# Altium PCB mitosis.PcbDoc
Units mm, origin at the board's own origin, x right, y up, seen from the top; angles counter-clockwise.
Board outline 113.72 x 100 mm, 2 copper layers (Top Layer, Bottom Layer), stack 1.671 mm thick; 35 components, 39 nets, 527 pads, 0 vias.
Unrouted connection lines stored in the file: 72.
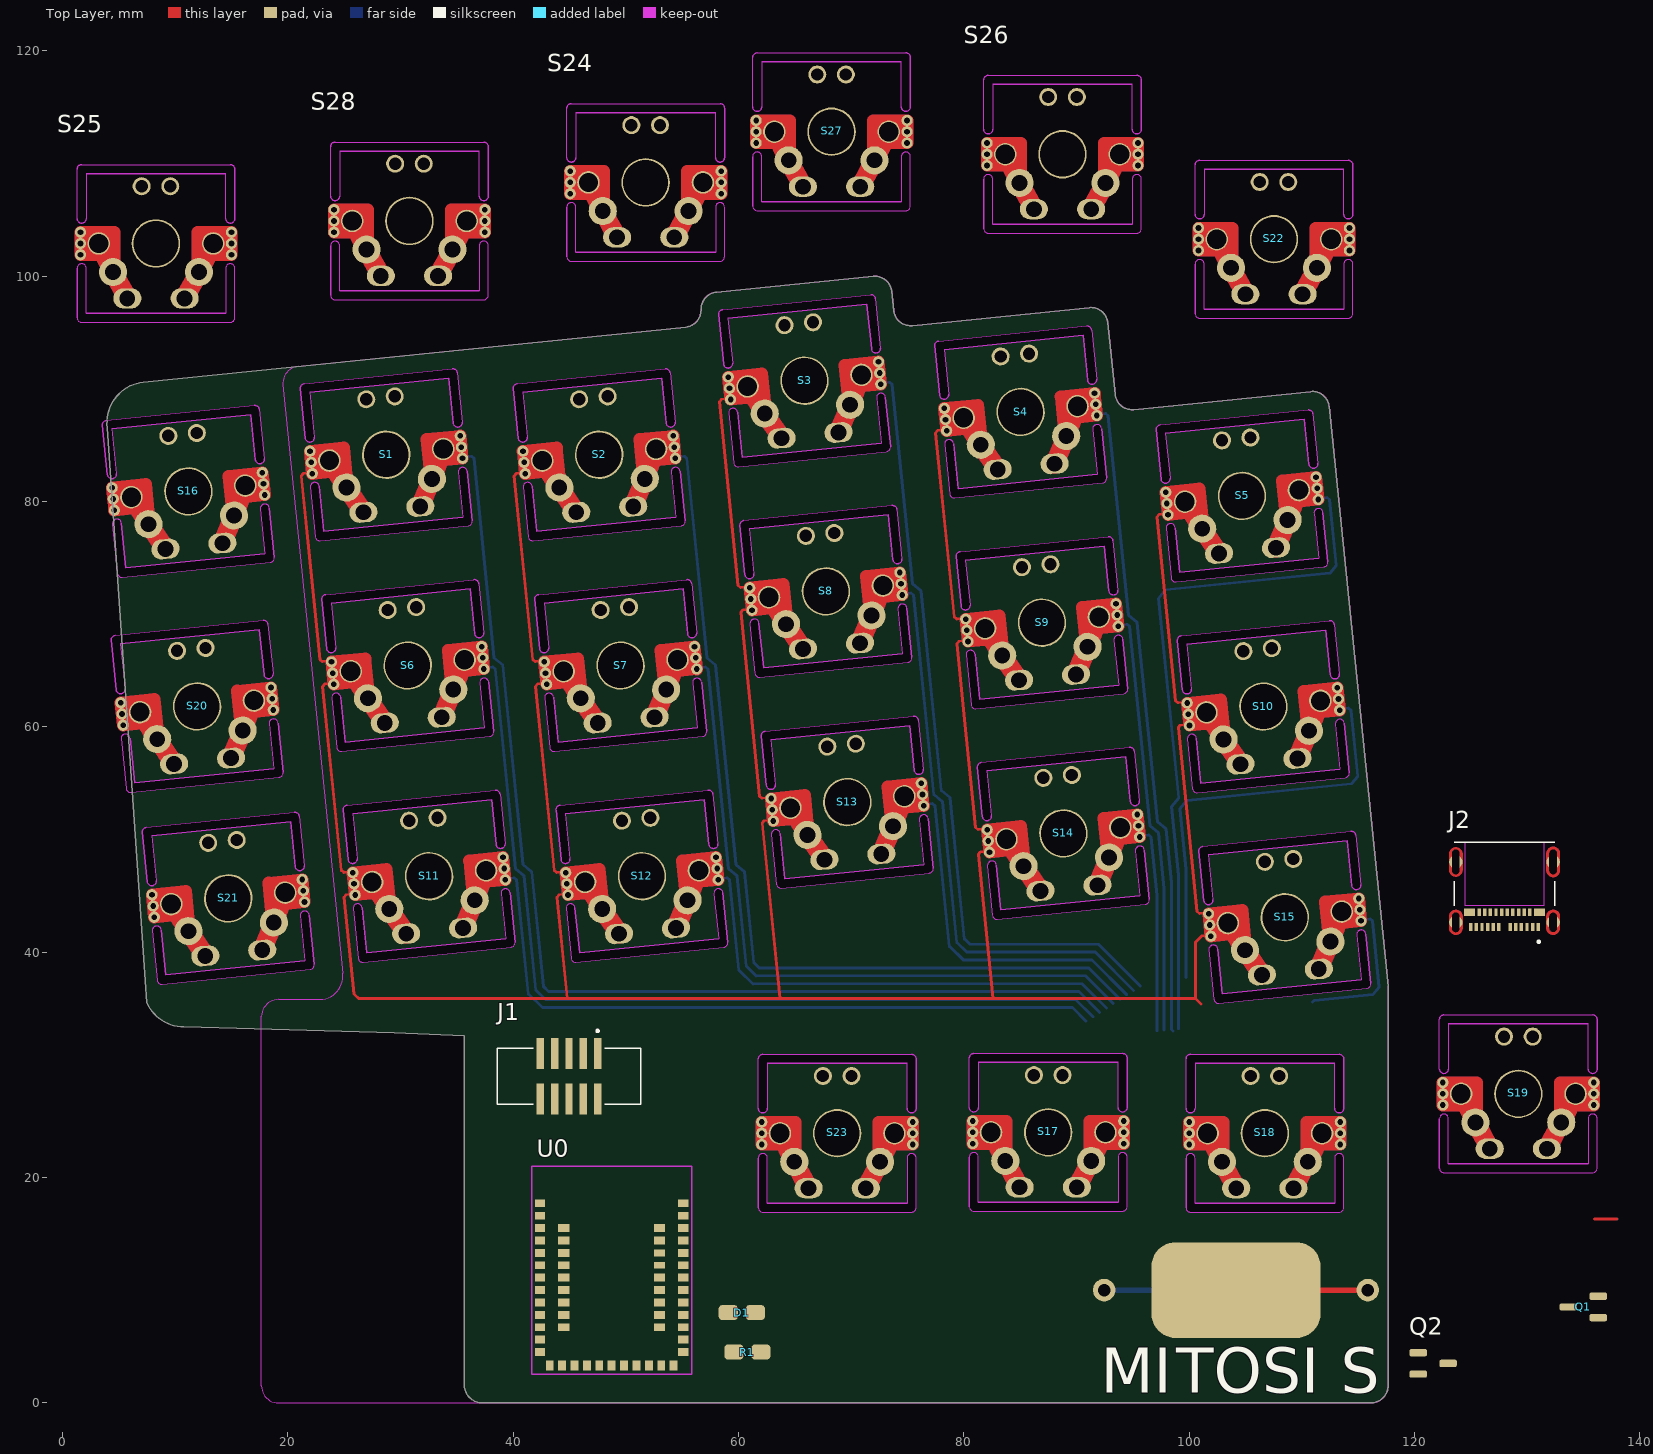
[diagram p0: Top Layer view]
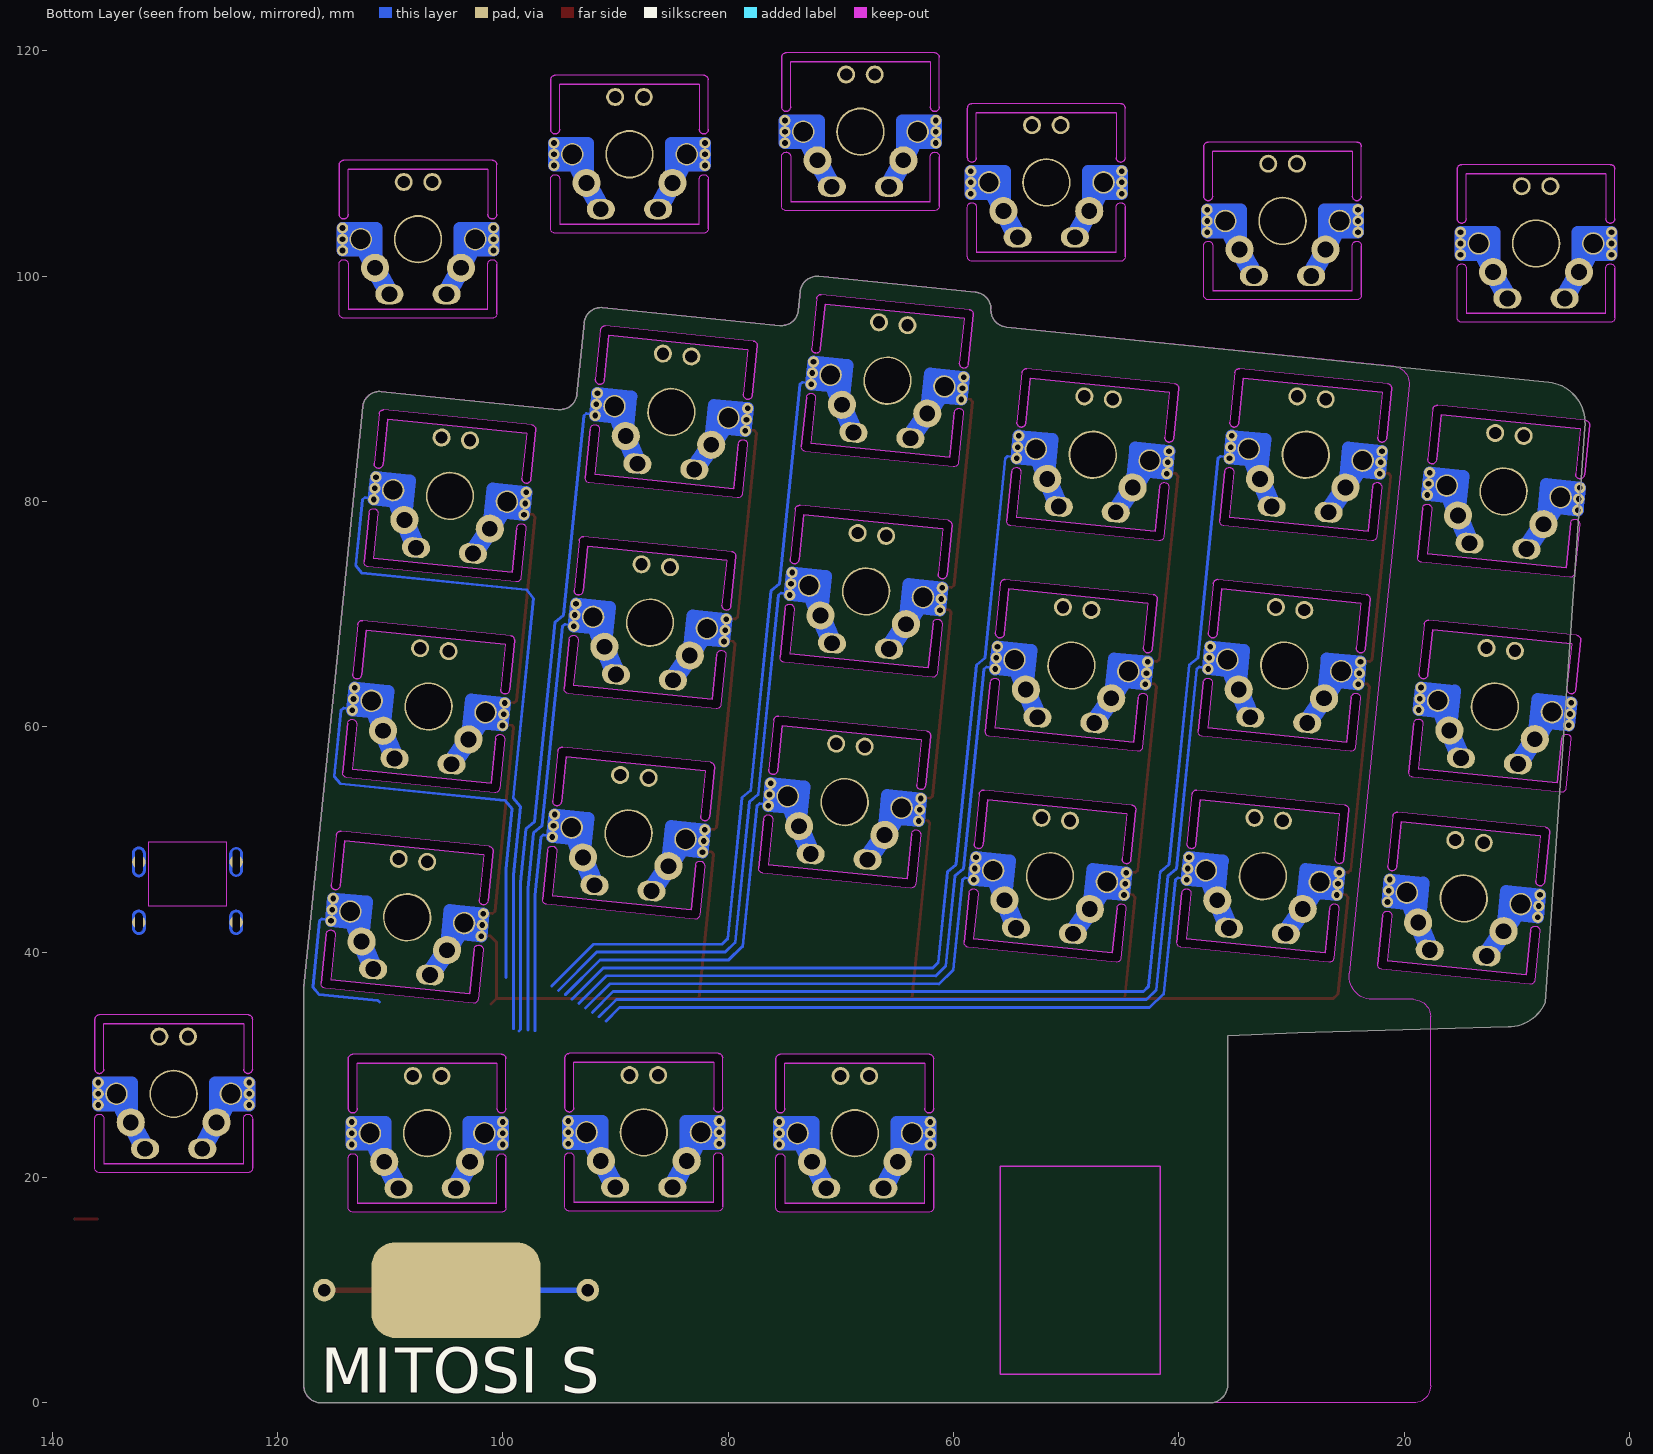
[diagram p1: Bottom Layer view, seen from below]

## Layer stack, top to bottom
Top Solder: solder mask 0.0102, Solder Resist, Dk 3.5
Top Layer: signal copper 0.0356
Dielectric1: core 1.6, FR-4, Dk 4.8
Bottom Layer: signal copper 0.0356
Bottom Solder: solder mask 0.0102, Solder Resist, Dk 3.5

## Board outline
37.366,-0.008 cw(c37.266,1.592) 35.666,1.492 35.666,32.592 ccw(c-17.362,-1277.828) 10.781,33.362 cw(c10.781,36.951) 7.493,35.513 7.225,39.401 3.974,86.545 cw(c7.589,86.973) 7.161,90.587 55.334,95.481 ccw(c55.183,96.973) 56.683,96.968 56.688,97.109 cw(c58.188,97.077) 58.036,98.57 71.964,99.984 cw(c72.116,98.492) 73.608,98.644 73.78,96.952 ccw(c75.272,97.104) 75.424,95.612 91.143,97.208 cw(c91.295,95.716) 92.787,95.867 93.434,89.5 ccw(c94.926,89.652) 95.078,88.16 110.797,89.756 cw(c110.949,88.264) 112.441,88.415 117.666,36.98 117.666,1.492 cw(c116.166,1.492) 116.166,-0.008

## Design rules (kind name [scope] priority, off if disabled: settings)
Clearance [All] p1: gap=0.152 ignorepadtopadclearanceinfootprint=FALSE except(0: Arc-Hole Track-Hole SMDPad-Hole THPad-Hole Via-Hole Fill-Hole Poly-Hole Region-Hole Text-Hole)
ComponentClearance nrf_clearance [(HasFootprint('Core51822 (B)'))] p1: gap=0 collisioncheckmode=3 verticalgap=0 showdistances=FALSE
ComponentClearance ComponentClearance_1 [All] p2: gap=0.254 collisioncheckmode=3 verticalgap=0.254 showdistances=FALSE
HoleSize [All] p1: absolutevalues=TRUE maxlimit=6.3 minlimit=0.3 maxpercent=80.000 minpercent=20.000
HoleToHoleClearance [All] p1: gap=0.29 allowstackedmicrovias=TRUE
MinimumSolderMaskSliver [All] p1: minsoldermaskwidth=0.089
PolygonConnect [All] p1: connectstyle=Relief reliefconductorwidth=0.254 reliefentries=4 polygonreliefangle="90 Angle" airgapwidth=0.254
RoutingVias [All] p1: holewidth=0.3 width=0.6 viastyle="Through Hole" minholewidth=0.3 minwidth=0.6 maxholewidth=6.3 maxwidth=12
SilkToSolderMaskClearance [IsPad] p1: minsilkscreentomaskgap=0.1 clearancetoexposedcopper=TRUE
SolderMaskExpansion [All] p1: expansion=0.102 istentingtop=FALSE
Width [All] p1: maxlimit=10 minlimit=0.152 preferedwidth=0.254
25 further rules are at their usual default settings.

## Components (designator, comment, footprint, x,y, rotation, side; value= is the part's Value field where it differs from the comment)
D1 "0603" RESC2012X06N 60.3,8 r180 top
J1 "3221-10-0300-00" CNC_3221-10-0300-00 44.96,28.98 r180 top
J2 "105450-0101" MOLEX_105450-0101 128,46 r180 top
Q1 "SI2302" SOT-23 135,8.5 r180 top
Q2 "SI2302" SOT-23 121.666,3.492 r0 top
R1 "0603" RESC2012X06N 60.8,4.5 r0 top
S1 "CHERRY MX" CHERRY 28.734,84.245 r5.8 top
S2 "CHERRY MX" CHERRY 47.63,84.245 r5.8 top
S3 "CHERRY MX" CHERRY 65.859,90.82 r5.8 top
S4 "CHERRY MX" CHERRY 85.038,88.044 r5.8 top
S5 "CHERRY MX" CHERRY 104.692,80.592 r5.8 top
S6 "CHERRY MX" CHERRY 30.633,65.541 r5.8 top
S7 "CHERRY MX" CHERRY 49.53,65.541 r5.8 top
S8 "CHERRY MX" CHERRY 67.759,72.117 r5.8 top
S9 "CHERRY MX" CHERRY 86.938,69.341 r5.8 top
S10 "CHERRY MX" CHERRY 106.591,61.889 r5.8 top
S11 "CHERRY MX" CHERRY 32.533,46.837 r5.8 top
S12 "CHERRY MX" CHERRY 51.43,46.837 r5.8 top
S13 "CHERRY MX" CHERRY 69.659,53.413 r5.8 top
S14 "CHERRY MX" CHERRY 88.838,50.637 r5.8 top
S15 "CHERRY MX" CHERRY 108.491,43.185 r5.8 top
S16 "CHERRY MX" CHERRY 11.166,80.992 r5.8 top
S17 "CHERRY MX" CHERRY 87.5,24.102 r0 top
S18 "CHERRY MX" CHERRY 106.73,24.022 r0 top
S19 "CHERRY MX" CHERRY 129.23,27.522 r0 top
S20 "CHERRY MX" CHERRY 11.936,61.912 r5.8 top
S21 "CHERRY MX" CHERRY 14.706,44.869 r5.8 top
S22 "CHERRY MX" CHERRY 107.54,103.377 r0 top
S23 "CHERRY MX" CHERRY 68.77,24.022 r0 top
S24 "CHERRY MX" CHERRY 51.77,108.42 r0 top
S25 "CHERRY MX" CHERRY 8.3,103 r0 top
S26 "CHERRY MX" CHERRY 88.77,110.92 r0 top
S27 "CHERRY MX" CHERRY 68.27,112.92 r0 top
S28 "CHERRY MX" CHERRY 30.8,105 r0 top
U0 "Core52840 (B)" CORE52840 42.063,3.016 r0 top

## Footprints (in the part's own frame and the unit in brackets; to place one, negate y for a bottom-side part, rotate by r counter-clockwise, add the part's x,y. Pads: shape width x height; smd on the part's side, far side on the other; paste and mask are expansions set on the pad)
CHERRY [mm]
  round 1.6 hole 1.1: 0(-1.27,4.978) 0(1.27,4.978)
  round 4.3 hole 3.988: 0(0,-0.102)
  round 2.5 hole 1.4: 1(-3.81,-2.642) 2(3.81,-2.642)
  oval 2.5x1.8 hole 1.4: 3(-2.54,-4.978) 4(2.54,-4.978)
  round 2 hole 1.702: 5(-5.08,-0.102) 6(5.08,-0.102)
  round 1 hole 0.5 mask+0.05: 7(-6.7,0.898) 8(6.7,0.898) 9(-6.7,-0.102) 10(6.7,-0.102) 11(-6.7,-1.102) 12(6.7,-1.102)
  Top Layer lines w1.1: -6.7,-0.102 -5.08,-0.102 ; -4.3,-1.102 -6.7,-1.102 -6.7,0.898 -3.7,0.898 -3.7,-2.002 ; 3.7,-2.002 3.7,0.898 6.7,0.898 6.7,-1.102 4.3,-1.102 ; 5.08,-0.102 6.7,-0.102
  Top Layer lines w1.7: -5.08,-0.102 -3.81,-2.642 -2.54,-4.978 ; 2.54,-4.978 3.81,-2.642 5.08,-0.102
  Bottom Layer lines w1.1: -6.7,-0.102 -5.08,-0.102 ; -4.3,-1.102 -6.7,-1.102 -6.7,0.898 -3.7,0.898 -3.7,-2.002 ; 3.7,-2.002 3.7,0.898 6.7,0.898 6.7,-1.102 4.3,-1.102 ; 5.08,-0.102 6.7,-0.102
  Bottom Layer lines w1.7: -5.08,-0.102 -3.81,-2.642 -2.54,-4.978 ; 2.54,-4.978 3.81,-2.642 5.08,-0.102
  Keep-Out Layer board cut-out: -7,-2.302 -7,-6.702 -6.97,-6.855 -6.883,-6.984 -6.753,-7.071 -6.6,-7.102 -6.6,-7.102 6.6,-7.102 6.753,-7.071 6.883,-6.984 6.97,-6.855 7,-6.702 7,-6.702 7,-2.302 6.96,-2.128 6.849,-1.989 6.689,-1.912 6.511,-1.912 6.351,-1.989 6.24,-2.128 6.2,-2.302 6.2,-2.302 6.2,-6.302 6.2,-6.302 -6.2,-6.302 -6.2,-6.302 -6.2,-2.302 -6.24,-2.128 -6.351,-1.989 -6.511,-1.912 -6.689,-1.912 -6.849,-1.989 -6.96,-2.128 -7,-2.302
  Keep-Out Layer board cut-out: -7,2.098 -7,6.498 -6.97,6.651 -6.883,6.781 -6.753,6.868 -6.6,6.898 -6.6,6.898 6.6,6.898 6.753,6.868 6.883,6.781 6.97,6.651 7,6.498 7,6.498 7,2.098 6.96,1.925 6.849,1.786 6.689,1.708 6.511,1.708 6.351,1.786 6.24,1.925 6.2,2.098 6.2,2.098 6.2,6.098 6.2,6.098 -6.2,6.098 -6.2,6.098 -6.2,2.098 -6.24,1.925 -6.351,1.786 -6.511,1.708 -6.689,1.708 -6.849,1.786 -6.96,1.925 -7,2.098
  Keep-Out Layer lines w0.1: -7,6.498 cw(c-6.6,6.498) -6.6,6.898 6.6,6.898 cw(c6.6,6.498) 7,6.498 7,2.098 cw(c6.6,2.098) 6.2,2.098 6.2,6.098 -6.2,6.098 -6.2,2.098 cw(c-6.6,2.098) -7,2.098 -7,6.498 ; -7,-2.302 cw(c-6.6,-2.302) -6.2,-2.302 -6.2,-6.302 6.2,-6.302 6.2,-2.302 cw(c6.6,-2.302) 7,-2.302 7,-6.702 cw(c6.6,-6.702) 6.6,-7.102 -6.6,-7.102 cw(c-6.6,-6.702) -7,-6.702 -7,-2.302
  body extent -9,-9.1 9,8.9, height 23
CNC_3221-10-0300-00 [mm]
  rect 0.65x2.76 smd: 1(-2.54,-2.02) 2(-2.54,2.02) 3(-1.27,-2.02) 4(-1.27,2.02) 5(0,-2.02) 6(0,2.02) 7(1.27,-2.02) 8(1.27,2.02) 9(2.54,-2.02) 10(2.54,2.02)
  silkscreen extent -6.35,-4.12 6.35,2.5
CORE52840 [mm]
  rect 0.9x0.7 smd: 1(0.337,14.684) 2(0.337,13.584) 3(0.337,12.484) 4(0.337,11.384) 5(0.337,10.284) 6(0.337,9.184) 7(0.337,8.084) 8(0.337,6.984) 9(0.337,5.884) 10(0.337,4.784) 11(0.337,3.684) 12(0.337,2.584) 13(0.337,1.484) 32(13.037,14.684) 33(13.037,13.584) 34(13.037,12.484) 35(13.037,11.384) 36(13.037,10.284) 37(13.037,9.184) 38(13.037,8.084) 39(13.037,6.984) 40(13.037,5.884) 41(13.037,4.784) 42(13.037,3.684) 43(13.037,2.584) 44(13.037,1.484)
  rect 1x0.7 smd: 14(2.437,12.484) 15(2.437,11.384) 16(2.437,10.284) 17(2.437,9.184) 18(2.437,8.084) 19(2.437,6.984) 20(2.437,5.884) 21(2.437,4.784) 22(2.437,3.684) 23(10.937,12.484) 24(10.937,11.384) 27(10.937,8.084) 28(10.937,6.984) 29(10.937,5.884) 30(10.937,4.784) 31(10.937,3.684)
  rect 1x0.6 smd: 25(10.937,10.284) 26(10.937,9.184)
  rect 0.7x0.9 smd: 45(12.187,0.284) 46(11.087,0.284) 47(9.987,0.284) 48(8.887,0.284) 49(7.787,0.284) 50(6.687,0.284) 51(5.587,0.284) 52(4.487,0.284) 53(3.387,0.284) 54(2.287,0.284) 55(1.187,0.284)
  Keep-Out Layer lines w0.127: -0.4,-0.5 -0.4,17.984 13.8,17.984 13.8,-0.5 -0.4,-0.5
MOLEX_105450-0101 [mm]
  rect 0.3x0.7 smd: A1(-3,3.77) A2(-2.5,3.77) A3(-2,3.77) A4(-1.5,3.77) A5(-1,3.77) A6(-0.5,3.77) A7(0.5,3.77) A8(1,3.77) A9(1.5,3.77) A10(2,3.77) A11(2.5,3.77) A12(3,3.77) B2(2.25,2.47) B3(1.75,2.47) B4(1.25,2.47) B5(0.75,2.47) B6(0.25,2.47) B7(-0.25,2.47) B8(-0.75,2.47) B9(-1.25,2.47) B10(-1.75,2.47) B11(-2.25,2.47)
  rect 1x0.7 smd: B1(3.1,2.47) B12(-3.1,2.47)
  round 1.2 hole 0.65 slot 1.7 at 90 deg mask+0: S1(-4.32,3.36)
  round 1.2 hole 0.65 slot 1.725 at 90 deg mask+0: S2(4.32,3.36)
  round 1.2 hole 0.65 slot 2.175 at 90 deg mask+0: S3(-4.32,-2) S4(4.32,-2)
  Top Layer region: -4.289,4.459 -4.257,4.457 -4.226,4.453 -4.195,4.447 -4.165,4.44 -4.135,4.431 -4.105,4.42 -4.076,4.408 -4.048,4.395 -4.02,4.38 -3.993,4.363 -3.967,4.345 -3.942,4.326 -3.919,4.306 -3.896,4.284 -3.874,4.261 -3.854,4.238 -3.835,4.213 -3.817,4.187 -3.8,4.16 -3.785,4.132 -3.772,4.104 -3.76,4.075 -3.749,4.045 -3.74,4.015 -3.733,3.985 -3.727,3.954 -3.723,3.923 -3.721,3.891 -3.72,3.86 -3.72,2.86 -3.721,2.829 -3.723,2.797 -3.727,2.766 -3.733,2.735 -3.74,2.705 -3.749,2.675 -3.76,2.645 -3.772,2.616 -3.785,2.588 -3.8,2.56 -3.817,2.533 -3.835,2.507 -3.854,2.482 -3.874,2.459 -3.896,2.436 -3.919,2.414 -3.942,2.394 -3.967,2.375 -3.993,2.357 -4.02,2.34 -4.048,2.325 -4.076,2.312 -4.105,2.3 -4.135,2.289 -4.165,2.28 -4.195,2.273 -4.226,2.267 -4.257,2.263 -4.289,2.261 -4.32,2.26 -4.355,2.26 -4.385,2.261 -4.415,2.264 -4.445,2.268 -4.474,2.274 -4.504,2.282 -4.532,2.291 -4.561,2.301 -4.588,2.313 -4.615,2.327 -4.641,2.342 -4.667,2.358 -4.691,2.375 -4.715,2.394 -4.738,2.414 -4.759,2.435 -4.779,2.457 -4.799,2.481 -4.816,2.505 -4.833,2.53 -4.848,2.556 -4.862,2.583 -4.875,2.61 -4.886,2.638 -4.895,2.667 -4.903,2.696 -4.91,2.725 -4.915,2.755 -4.918,2.785 -4.92,2.81 -4.92,3.81 -4.92,3.846 -4.919,3.879 -4.916,3.911 -4.911,3.944 -4.904,3.976 -4.896,4.007 -4.886,4.039 -4.875,4.069 -4.862,4.099 -4.847,4.129 -4.831,4.157 -4.814,4.185 -4.795,4.211 -4.774,4.237 -4.752,4.262 -4.73,4.285 -4.705,4.307 -4.68,4.328 -4.654,4.347 -4.626,4.365 -4.598,4.382 -4.569,4.397 -4.539,4.411 -4.509,4.423 -4.478,4.433 -4.446,4.442 -4.414,4.449 -4.382,4.454 -4.35,4.458 -4.32,4.46
  Top Layer region: 4.351,4.459 4.383,4.457 4.414,4.453 4.445,4.447 4.475,4.44 4.505,4.431 4.535,4.42 4.564,4.408 4.592,4.395 4.62,4.38 4.647,4.363 4.673,4.345 4.698,4.326 4.721,4.306 4.744,4.284 4.766,4.261 4.786,4.238 4.805,4.213 4.823,4.187 4.84,4.16 4.855,4.132 4.868,4.104 4.88,4.075 4.891,4.045 4.9,4.015 4.907,3.985 4.913,3.954 4.917,3.923 4.919,3.891 4.92,3.86 4.92,2.86 4.919,2.829 4.917,2.797 4.913,2.766 4.907,2.735 4.9,2.705 4.891,2.675 4.88,2.645 4.868,2.616 4.855,2.588 4.84,2.56 4.823,2.533 4.805,2.507 4.786,2.482 4.766,2.459 4.744,2.436 4.721,2.414 4.698,2.394 4.673,2.375 4.647,2.357 4.62,2.34 4.592,2.325 4.564,2.312 4.535,2.3 4.505,2.289 4.475,2.28 4.445,2.273 4.414,2.267 4.383,2.263 4.351,2.261 4.32,2.26 4.289,2.261 4.257,2.263 4.226,2.267 4.195,2.273 4.165,2.28 4.135,2.289 4.105,2.3 4.076,2.312 4.048,2.325 4.02,2.34 3.993,2.357 3.967,2.375 3.942,2.394 3.919,2.414 3.896,2.436 3.874,2.459 3.854,2.482 3.835,2.507 3.817,2.533 3.8,2.56 3.785,2.588 3.772,2.616 3.76,2.645 3.749,2.675 3.74,2.705 3.733,2.735 3.727,2.766 3.723,2.797 3.721,2.829 3.72,2.86 3.72,3.86 3.721,3.891 3.723,3.923 3.727,3.954 3.733,3.985 3.74,4.015 3.749,4.045 3.76,4.075 3.772,4.104 3.785,4.132 3.8,4.16 3.817,4.187 3.835,4.213 3.854,4.238 3.874,4.261 3.896,4.284 3.919,4.306 3.942,4.326 3.967,4.345 3.993,4.363 4.02,4.38 4.048,4.395 4.076,4.408 4.105,4.42 4.135,4.431 4.165,4.44 4.195,4.447 4.226,4.453 4.257,4.457 4.289,4.459 4.32,4.46
  Top Layer region: -4.29,-0.652 -4.258,-0.656 -4.226,-0.661 -4.194,-0.668 -4.162,-0.677 -4.131,-0.687 -4.101,-0.699 -4.071,-0.713 -4.042,-0.728 -4.014,-0.745 -3.986,-0.763 -3.96,-0.782 -3.935,-0.803 -3.91,-0.825 -3.888,-0.848 -3.866,-0.873 -3.845,-0.899 -3.826,-0.925 -3.809,-0.953 -3.793,-0.981 -3.778,-1.011 -3.765,-1.041 -3.754,-1.071 -3.744,-1.103 -3.736,-1.134 -3.729,-1.166 -3.724,-1.199 -3.721,-1.231 -3.72,-1.264 -3.72,-1.3 -3.72,-2.7 -3.72,-2.736 -3.721,-2.769 -3.724,-2.801 -3.729,-2.834 -3.736,-2.866 -3.744,-2.897 -3.754,-2.929 -3.765,-2.959 -3.778,-2.989 -3.793,-3.019 -3.809,-3.047 -3.826,-3.075 -3.845,-3.101 -3.866,-3.127 -3.888,-3.152 -3.91,-3.175 -3.935,-3.197 -3.96,-3.218 -3.986,-3.237 -4.014,-3.255 -4.042,-3.272 -4.071,-3.287 -4.101,-3.301 -4.131,-3.313 -4.162,-3.323 -4.194,-3.332 -4.226,-3.339 -4.258,-3.344 -4.29,-3.348 -4.32,-3.35 -4.35,-3.348 -4.382,-3.344 -4.414,-3.339 -4.446,-3.332 -4.478,-3.323 -4.509,-3.313 -4.539,-3.301 -4.569,-3.287 -4.598,-3.272 -4.626,-3.255 -4.654,-3.237 -4.68,-3.218 -4.705,-3.197 -4.73,-3.175 -4.752,-3.152 -4.774,-3.127 -4.795,-3.101 -4.814,-3.075 -4.831,-3.047 -4.847,-3.019 -4.862,-2.989 -4.875,-2.959 -4.886,-2.929 -4.896,-2.897 -4.904,-2.866 -4.911,-2.834 -4.916,-2.801 -4.919,-2.769 -4.92,-2.736 -4.92,-2.7 -4.92,-1.3 -4.92,-1.264 -4.919,-1.231 -4.916,-1.199 -4.911,-1.166 -4.904,-1.134 -4.896,-1.103 -4.886,-1.071 -4.875,-1.041 -4.862,-1.011 -4.847,-0.981 -4.831,-0.953 -4.814,-0.925 -4.795,-0.899 -4.774,-0.873 -4.752,-0.848 -4.73,-0.825 -4.705,-0.803 -4.68,-0.782 -4.654,-0.763 -4.626,-0.745 -4.598,-0.728 -4.569,-0.713 -4.539,-0.699 -4.509,-0.687 -4.478,-0.677 -4.446,-0.668 -4.414,-0.661 -4.382,-0.656 -4.35,-0.652 -4.32,-0.65
  Top Layer region: 4.35,-0.702 4.382,-0.706 4.414,-0.711 4.446,-0.718 4.478,-0.727 4.509,-0.737 4.539,-0.749 4.569,-0.763 4.598,-0.778 4.626,-0.795 4.654,-0.813 4.68,-0.832 4.705,-0.853 4.73,-0.875 4.752,-0.898 4.774,-0.923 4.795,-0.949 4.814,-0.975 4.831,-1.003 4.847,-1.031 4.862,-1.061 4.875,-1.091 4.886,-1.121 4.896,-1.153 4.904,-1.184 4.911,-1.216 4.916,-1.249 4.919,-1.281 4.92,-1.314 4.92,-1.35 4.92,-2.65 4.92,-2.686 4.919,-2.719 4.916,-2.751 4.911,-2.784 4.904,-2.816 4.896,-2.847 4.886,-2.879 4.875,-2.909 4.862,-2.939 4.847,-2.969 4.831,-2.997 4.814,-3.025 4.795,-3.051 4.774,-3.077 4.752,-3.102 4.73,-3.125 4.705,-3.147 4.68,-3.168 4.654,-3.187 4.626,-3.205 4.598,-3.222 4.569,-3.237 4.539,-3.251 4.509,-3.263 4.478,-3.273 4.446,-3.282 4.414,-3.289 4.382,-3.294 4.35,-3.298 4.32,-3.3 4.29,-3.298 4.258,-3.294 4.226,-3.289 4.194,-3.282 4.162,-3.273 4.131,-3.263 4.101,-3.251 4.071,-3.237 4.042,-3.222 4.014,-3.205 3.986,-3.187 3.96,-3.168 3.935,-3.147 3.91,-3.125 3.888,-3.102 3.866,-3.077 3.845,-3.051 3.826,-3.025 3.809,-2.997 3.793,-2.969 3.778,-2.939 3.765,-2.909 3.754,-2.879 3.744,-2.847 3.736,-2.816 3.729,-2.784 3.724,-2.751 3.721,-2.719 3.72,-2.686 3.72,-2.65 3.72,-1.35 3.72,-1.314 3.721,-1.281 3.724,-1.249 3.729,-1.216 3.736,-1.184 3.744,-1.153 3.754,-1.121 3.765,-1.091 3.778,-1.061 3.793,-1.031 3.809,-1.003 3.826,-0.975 3.845,-0.949 3.866,-0.923 3.888,-0.898 3.91,-0.875 3.935,-0.853 3.96,-0.832 3.986,-0.813 4.014,-0.795 4.042,-0.778 4.071,-0.763 4.101,-0.749 4.131,-0.737 4.162,-0.727 4.194,-0.718 4.226,-0.711 4.258,-0.706 4.29,-0.702 4.32,-0.7
  Bottom Layer region: -4.289,4.459 -4.257,4.457 -4.226,4.453 -4.195,4.447 -4.165,4.44 -4.135,4.431 -4.105,4.42 -4.076,4.408 -4.048,4.395 -4.02,4.38 -3.993,4.363 -3.967,4.345 -3.942,4.326 -3.919,4.306 -3.896,4.284 -3.874,4.261 -3.854,4.238 -3.835,4.213 -3.817,4.187 -3.8,4.16 -3.785,4.132 -3.772,4.104 -3.76,4.075 -3.749,4.045 -3.74,4.015 -3.733,3.985 -3.727,3.954 -3.723,3.923 -3.721,3.891 -3.72,3.86 -3.72,2.86 -3.721,2.829 -3.723,2.797 -3.727,2.766 -3.733,2.735 -3.74,2.705 -3.749,2.675 -3.76,2.645 -3.772,2.616 -3.785,2.588 -3.8,2.56 -3.817,2.533 -3.835,2.507 -3.854,2.482 -3.874,2.459 -3.896,2.436 -3.919,2.414 -3.942,2.394 -3.967,2.375 -3.993,2.357 -4.02,2.34 -4.048,2.325 -4.076,2.312 -4.105,2.3 -4.135,2.289 -4.165,2.28 -4.195,2.273 -4.226,2.267 -4.257,2.263 -4.289,2.261 -4.32,2.26 -4.355,2.26 -4.385,2.261 -4.415,2.264 -4.445,2.268 -4.474,2.274 -4.504,2.282 -4.532,2.291 -4.561,2.301 -4.588,2.313 -4.615,2.327 -4.641,2.342 -4.667,2.358 -4.691,2.375 -4.715,2.394 -4.738,2.414 -4.759,2.435 -4.779,2.457 -4.799,2.481 -4.816,2.505 -4.833,2.53 -4.848,2.556 -4.862,2.583 -4.875,2.61 -4.886,2.638 -4.895,2.667 -4.903,2.696 -4.91,2.725 -4.915,2.755 -4.918,2.785 -4.92,2.81 -4.92,3.81 -4.92,3.846 -4.919,3.879 -4.916,3.911 -4.911,3.944 -4.904,3.976 -4.896,4.007 -4.886,4.039 -4.875,4.069 -4.862,4.099 -4.847,4.129 -4.831,4.157 -4.814,4.185 -4.795,4.211 -4.774,4.237 -4.752,4.262 -4.73,4.285 -4.705,4.307 -4.68,4.328 -4.654,4.347 -4.626,4.365 -4.598,4.382 -4.569,4.397 -4.539,4.411 -4.509,4.423 -4.478,4.433 -4.446,4.442 -4.414,4.449 -4.382,4.454 -4.35,4.458 -4.32,4.46
  Bottom Layer region: 4.351,4.459 4.383,4.457 4.414,4.453 4.445,4.447 4.475,4.44 4.505,4.431 4.535,4.42 4.564,4.408 4.592,4.395 4.62,4.38 4.647,4.363 4.673,4.345 4.698,4.326 4.721,4.306 4.744,4.284 4.766,4.261 4.786,4.238 4.805,4.213 4.823,4.187 4.84,4.16 4.855,4.132 4.868,4.104 4.88,4.075 4.891,4.045 4.9,4.015 4.907,3.985 4.913,3.954 4.917,3.923 4.919,3.891 4.92,3.86 4.92,2.86 4.919,2.829 4.917,2.797 4.913,2.766 4.907,2.735 4.9,2.705 4.891,2.675 4.88,2.645 4.868,2.616 4.855,2.588 4.84,2.56 4.823,2.533 4.805,2.507 4.786,2.482 4.766,2.459 4.744,2.436 4.721,2.414 4.698,2.394 4.673,2.375 4.647,2.357 4.62,2.34 4.592,2.325 4.564,2.312 4.535,2.3 4.505,2.289 4.475,2.28 4.445,2.273 4.414,2.267 4.383,2.263 4.351,2.261 4.32,2.26 4.289,2.261 4.257,2.263 4.226,2.267 4.195,2.273 4.165,2.28 4.135,2.289 4.105,2.3 4.076,2.312 4.048,2.325 4.02,2.34 3.993,2.357 3.967,2.375 3.942,2.394 3.919,2.414 3.896,2.436 3.874,2.459 3.854,2.482 3.835,2.507 3.817,2.533 3.8,2.56 3.785,2.588 3.772,2.616 3.76,2.645 3.749,2.675 3.74,2.705 3.733,2.735 3.727,2.766 3.723,2.797 3.721,2.829 3.72,2.86 3.72,3.86 3.721,3.891 3.723,3.923 3.727,3.954 3.733,3.985 3.74,4.015 3.749,4.045 3.76,4.075 3.772,4.104 3.785,4.132 3.8,4.16 3.817,4.187 3.835,4.213 3.854,4.238 3.874,4.261 3.896,4.284 3.919,4.306 3.942,4.326 3.967,4.345 3.993,4.363 4.02,4.38 4.048,4.395 4.076,4.408 4.105,4.42 4.135,4.431 4.165,4.44 4.195,4.447 4.226,4.453 4.257,4.457 4.289,4.459 4.32,4.46
  Bottom Layer region: -4.29,-0.652 -4.258,-0.656 -4.226,-0.661 -4.194,-0.668 -4.162,-0.677 -4.131,-0.687 -4.101,-0.699 -4.071,-0.713 -4.042,-0.728 -4.014,-0.745 -3.986,-0.763 -3.96,-0.782 -3.935,-0.803 -3.91,-0.825 -3.888,-0.848 -3.866,-0.873 -3.845,-0.899 -3.826,-0.925 -3.809,-0.953 -3.793,-0.981 -3.778,-1.011 -3.765,-1.041 -3.754,-1.071 -3.744,-1.103 -3.736,-1.134 -3.729,-1.166 -3.724,-1.199 -3.721,-1.231 -3.72,-1.264 -3.72,-1.3 -3.72,-2.7 -3.72,-2.736 -3.721,-2.769 -3.724,-2.801 -3.729,-2.834 -3.736,-2.866 -3.744,-2.897 -3.754,-2.929 -3.765,-2.959 -3.778,-2.989 -3.793,-3.019 -3.809,-3.047 -3.826,-3.075 -3.845,-3.101 -3.866,-3.127 -3.888,-3.152 -3.91,-3.175 -3.935,-3.197 -3.96,-3.218 -3.986,-3.237 -4.014,-3.255 -4.042,-3.272 -4.071,-3.287 -4.101,-3.301 -4.131,-3.313 -4.162,-3.323 -4.194,-3.332 -4.226,-3.339 -4.258,-3.344 -4.29,-3.348 -4.32,-3.35 -4.35,-3.348 -4.382,-3.344 -4.414,-3.339 -4.446,-3.332 -4.478,-3.323 -4.509,-3.313 -4.539,-3.301 -4.569,-3.287 -4.598,-3.272 -4.626,-3.255 -4.654,-3.237 -4.68,-3.218 -4.705,-3.197 -4.73,-3.175 -4.752,-3.152 -4.774,-3.127 -4.795,-3.101 -4.814,-3.075 -4.831,-3.047 -4.847,-3.019 -4.862,-2.989 -4.875,-2.959 -4.886,-2.929 -4.896,-2.897 -4.904,-2.866 -4.911,-2.834 -4.916,-2.801 -4.919,-2.769 -4.92,-2.736 -4.92,-2.7 -4.92,-1.3 -4.92,-1.264 -4.919,-1.231 -4.916,-1.199 -4.911,-1.166 -4.904,-1.134 -4.896,-1.103 -4.886,-1.071 -4.875,-1.041 -4.862,-1.011 -4.847,-0.981 -4.831,-0.953 -4.814,-0.925 -4.795,-0.899 -4.774,-0.873 -4.752,-0.848 -4.73,-0.825 -4.705,-0.803 -4.68,-0.782 -4.654,-0.763 -4.626,-0.745 -4.598,-0.728 -4.569,-0.713 -4.539,-0.699 -4.509,-0.687 -4.478,-0.677 -4.446,-0.668 -4.414,-0.661 -4.382,-0.656 -4.35,-0.652 -4.32,-0.65
  Bottom Layer region: 4.35,-0.702 4.382,-0.706 4.414,-0.711 4.446,-0.718 4.478,-0.727 4.509,-0.737 4.539,-0.749 4.569,-0.763 4.598,-0.778 4.626,-0.795 4.654,-0.813 4.68,-0.832 4.705,-0.853 4.73,-0.875 4.752,-0.898 4.774,-0.923 4.795,-0.949 4.814,-0.975 4.831,-1.003 4.847,-1.031 4.862,-1.061 4.875,-1.091 4.886,-1.121 4.896,-1.153 4.904,-1.184 4.911,-1.216 4.916,-1.249 4.919,-1.281 4.92,-1.314 4.92,-1.35 4.92,-2.65 4.92,-2.686 4.919,-2.719 4.916,-2.751 4.911,-2.784 4.904,-2.816 4.896,-2.847 4.886,-2.879 4.875,-2.909 4.862,-2.939 4.847,-2.969 4.831,-2.997 4.814,-3.025 4.795,-3.051 4.774,-3.077 4.752,-3.102 4.73,-3.125 4.705,-3.147 4.68,-3.168 4.654,-3.187 4.626,-3.205 4.598,-3.222 4.569,-3.237 4.539,-3.251 4.509,-3.263 4.478,-3.273 4.446,-3.282 4.414,-3.289 4.382,-3.294 4.35,-3.298 4.32,-3.3 4.29,-3.298 4.258,-3.294 4.226,-3.289 4.194,-3.282 4.162,-3.273 4.131,-3.263 4.101,-3.251 4.071,-3.237 4.042,-3.222 4.014,-3.205 3.986,-3.187 3.96,-3.168 3.935,-3.147 3.91,-3.125 3.888,-3.102 3.866,-3.077 3.845,-3.051 3.826,-3.025 3.809,-2.997 3.793,-2.969 3.778,-2.939 3.765,-2.909 3.754,-2.879 3.744,-2.847 3.736,-2.816 3.729,-2.784 3.724,-2.751 3.721,-2.719 3.72,-2.686 3.72,-2.65 3.72,-1.35 3.72,-1.314 3.721,-1.281 3.724,-1.249 3.729,-1.216 3.736,-1.184 3.744,-1.153 3.754,-1.121 3.765,-1.091 3.778,-1.061 3.793,-1.031 3.809,-1.003 3.826,-0.975 3.845,-0.949 3.866,-0.923 3.888,-0.898 3.91,-0.875 3.935,-0.853 3.96,-0.832 3.986,-0.813 4.014,-0.795 4.042,-0.778 4.071,-0.763 4.101,-0.749 4.131,-0.737 4.162,-0.727 4.194,-0.718 4.226,-0.711 4.258,-0.706 4.29,-0.702 4.32,-0.7
  Keep-Out Layer region: 3.5,-3.77 -3.5,-3.77 -3.5,1.88 3.5,1.88
  silkscreen extent -4.47,-3.77 4.47,5.18, body extent -4.47,-3.91 4.47,4, height 3.2
RESC2012X06N [mm] "Chip Resistor, 2-Leads, Body 2.00x1.25mm, IPC Medium Density"
  rrect50% 1.7x1.35 smd: 1(-1.2,0) 2(1.2,0)
  body extent -1.05,-0.7 1.05,0.7, height 0.55
SOT-23 [mm] "SOT23, 3-Leads, Body 2.92x3.10mm, Pitch 0.95mm, IPC Medium Density"
  rrect50% 1.55x0.65 smd: 1(-1.325,0.95) 2(-1.325,-0.95) 3(1.325,0)
  body extent -0.7,-1.52 0.7,1.52, height 1.12

## Part data
J1: "Conn Shrouded Header HDR 10 POS 1.27mm Solder ST SMD T/R", Manufacturer="CNC Tech", Manufacturer Part Number=3221-10-0300-00-TR, Package=None, Supplier Part Number=1175-2649-6-ND, Availability="In Stock", Category=Connectors, Check_prices=https://www.snapeda.com/parts/3221-10-0300-00/CNC+Tech/view-part/?ref=eda, MF="CNC Tech", MP=3221-10-0300-00, Price=None, Pricing="1=0.94000, 10=0.79200, 100=0.71100 (USD)", Purchase-URL=https://pricing.snapeda.com/search/part/3221-10-0300-00/?ref=eda, RoHS=No, SnapEDA_Link=https://www.snapeda.com/parts/3221-10-0300-00/CNC+Tech/view-part/?ref=snap, Stock=84321, Supplier=Digi-Key
J2: "Conn USB 3.1 Type C F 24 POS Solder RA SMD 24 Terminal 1 Port USB 3.1 T/R", Case/Package=0101, Current Rating=5A, Flammability Rating="UL94 V-0", Insulation Color=Black, Manufacturer=Molex, Max Operating Temperature=85°C, Min Operating Temperature=-30°C, Package=None, Supplier Part Number=33AC7773, Availability=Unavailable, Category="USB Connectors", ComponentLink1Description=http://www.farnell.com/datasheets/2801634.pdf?src-supplier=Farnell, ComponentLink1URL=http://www.farnell.com/datasheets/2801634.pdf?src-supplier=Farnell, ComponentLink2Description=http://www.literature.molex.com/SQLImages/kelmscott/Molex/PDF_Images/987651-4081.PDF?src-supplier=Avnet, ComponentLink2URL=http://www.literature.molex.com/SQLImages/kelmscott/Molex/PDF_Images/987651-4081.PDF?src-supplier=Avnet, ComponentLink3Description=http://www.farnell.com/datasheets/2672741.pdf?src-supplier=Newark, ComponentLink3URL=http://www.farnell.com/datasheets/2672741.pdf?src-supplier=Newark, ComponentLink4Description=http://www.farnell.com/datasheets/2801634.pdf?src-supplier=Newark, ComponentLink4URL=http://www.farnell.com/datasheets/2801634.pdf?src-supplier=Newark, ComponentLink5Description=https://www.molex.com/pdm_docs/ps/PS-105448-001.pdf?src-supplier=Digi-Key, ComponentLink5URL=https://www.molex.com/pdm_docs/ps/PS-105448-001.pdf?src-supplier=Digi-Key, ComponentLink6Description=https://www.molex.com/pdm_docs/sd/1054500101_sd.pdf?src-supplier=Digi-Key, ComponentLink6URL=https://www.molex.com/pdm_docs/sd/1054500101_sd.pdf?src-supplier=Digi-Key, ComponentLink7Description=http://www.farnell.com/datasheets/2801634.pdf?src-supplier=Element14, ComponentLink7URL=http://www.farnell.com/datasheets/2801634.pdf?src-supplier=Element14, ComponentLink8Description=http://www.farnell.com/datasheets/2015275.pdf?src-supplier=Element14, ComponentLink8URL=http://www.farnell.com/datasheets/2015275.pdf?src-supplier=Element14, Connector Type=USB, Contact Material="Copper Alloy", Contact Plating=Gold, Features=Shielded, Gender=Receptacle, Housing Material=Thermoplastic, Length=8.94mm, Manufacturer Part Number=105450-0101, Mating Cycles=10000, Mounting Technology="Surface Mount,Horizontal,Through Hole", MP=105450-0101, Number of Contacts=24, Number of Ports=1, Number of Terminals/Pins=24, Orientation="Right Angle", Packaging="Tape and Reel", Pins=24, Pitch=0.5mm, Price=None, Pricing="1=1.67000, 1300=1.65000, 2600=1.61000 (USD)", RoHS=Yes, RoHS Compliant=Yes, Series=-, Shielding=Shielded, Stock=13000, Supplier=Newark, Termination=Solder, USB Standard="USB 3.1"
Q1 Q2: "N-Channel Logic MOSFET", ComponentLink1Description="Manufacturer Link", ComponentLink1URL=http://www.irf.com/, DatasheetVersion=PD-9.814, LatestRevisionDate=17-Jul-2002, LatestRevisionNote="Re-released for DXP Platform.", Note="Pin 2 is electrically connected to pin 4.", PackageDescription="TO, Thru-Hole, Vertical, Heatsink Mounted; 3 In-Line Leads; Pitch 2.54 mm", PackageReference=TO-220AB, PackageVersion=Feb-1997, Published=8-Jun-2000, Publisher="Altium Limited"
S1 S2 S3 S4 S5 S6 S7 S8 S9 S10 S11 S12 S13 S14 S15 S16 S17 S18 S19 S20 S21 S22 S23 S24 S25 S26 S27 S28: "Switch", LatestRevisionDate=17-Jul-2002, LatestRevisionNote="Re-released for DXP Platform.", PackageDescription="Switch; 2 Leads", PackageReference=SPST-2, Published=24-Mar-1999, Publisher="Altium Limited"
U0: "NRF52840 (B)"

## Free pads (board coordinates)
  round 2 hole 1.1: 0(115.866,9.992) 1(92.466,9.992)
  rrect50% 15x8.5 smd: 2(104.166,9.992)
  rrect50% 15x8.5 smd far side: 2(104.166,9.992)

## Nets (pads, with @x,y where several pads share a name; then routed paths per layer and width w, separated by ;. In a path a pad name is that pad's centre, name@x,y a point inside that pad or via, vN(x,y) a via of type N, cw(c..) or ccw(c..) an arc to the next point about the centre after c; other vN are vias at no path point)
D+: J2.A6 J2.B6 U0.45
D-: J2.A7 J2.B7 U0.46
GND: J1.3 J1.5 J1.9 J2.A1 J2.A12 J2.B1 J2.B12 Q1.2 Q2.2 R1.1 S1.1 S1.3 S1.5 S1.7 S1.9 S1.11 S2.1 S2.3 S2.5 S2.7 S2.9 S2.11 S3.1 S3.3 S3.5 S3.7 S3.9 S3.11 S4.1 S4.3 S4.5 S4.7 S4.9 S4.11 S5.1 S5.3 S5.5 S5.7 S5.9 S5.11 S6.1 S6.3 S6.5 S6.7 S6.9 S6.11 S7.1 S7.3 S7.5 S7.7 S7.9 S7.11 S8.1 S8.3 S8.5 S8.7 S8.9 S8.11 S9.1 S9.3 S9.5 S9.7 S9.9 S9.11 S10.1 S10.3 S10.5 S10.7 S10.9 S10.11 S11.1 S11.3 S11.5 S11.7 S11.9 S11.11 S12.1 S12.3 S12.5 S12.7 S12.9 S12.11 S13.1 S13.3 S13.5 S13.7 S13.9 S13.11 S14.1 S14.3 S14.5 S14.7 S14.9 S14.11 S15.1 S15.3 S15.5 S15.7 S15.9 S15.11 S16.1 S16.3 S16.5 S16.7 S16.9 S16.11 S17.1 S17.3 S17.5 S17.7 S17.9 S17.11 S18.1 S18.3 S18.5 S18.7 S18.9 S18.11 S19.1 S19.3 S19.5 S19.7 S19.9 S19.11 S20.1 S20.3 S20.5 S20.7 S20.9 S20.11 S21.1 S21.3 S21.5 S21.7 S21.9 S21.11 S22.1 S22.3 S22.5 S22.7 S22.9 S22.11 S23.1 S23.3 S23.5 S23.7 S23.9 S23.11 S24.1 S24.3 S24.5 S24.7 S24.9 S24.11 S25.1 S25.3 S25.5 S25.7 S25.9 S25.11 S26.1 S26.3 S26.5 S26.7 S26.9 S26.11 S27.1 S27.3 S27.5 S27.7 S27.9 S27.11 S28.1 S28.3 S28.5 S28.7 S28.9 S28.11 U0.1 U0.32 U0.44 | length 318.2
  Top Layer w0.254: S1.11@22.169,82.573 21.373,82.492 21.194,82.273 21.791,76.403 22.852,65.957 23.071,65.778 S6.7@23.867,65.859 ; S6.11@24.069,63.869 23.273,63.788 23.094,63.569 24.751,47.253 24.971,47.074 S11.7@25.767,47.155 ; S11.11@25.969,45.166 25.173,45.085 24.994,44.865 25.867,36.273 25.966,36.192 26.263,35.895 37.566,35.895 44.802,35.895 ; S2.11@41.066,82.573 40.27,82.492 40.091,82.273 41.748,65.957 41.968,65.778 S7.7@42.763,65.859 ; S7.11@42.966,63.869 42.17,63.788 41.991,63.569 43.648,47.253 43.867,47.074 S12.7@44.663,47.155 ; S12.11@44.865,45.165 44.07,45.084 43.891,44.865 44.802,35.895 ; S3.11@59.295,89.148 58.499,89.068 58.32,88.848 59.977,72.532 60.196,72.354 S8.7@60.992,72.434 ; S8.11@61.194,70.445 60.399,70.364 60.22,70.145 61.877,53.829 62.096,53.65 S13.7@62.892,53.731 ; S13.11@63.094,51.741 62.298,51.66 62.12,51.441 63.699,35.895 ; S4.11@78.473,86.372 77.677,86.292 77.499,86.072 79.156,69.756 79.375,69.578 S9.7@80.171,69.658 ; S9.11@80.373,67.669 79.577,67.588 79.398,67.369 79.995,61.499 81.056,51.053 81.275,50.874 S14.7@82.071,50.955 ; S14.11@82.273,48.965 81.477,48.884 81.298,48.665 82.595,35.895 ; S5.11@98.127,78.92 97.331,78.84 97.152,78.62 98.81,62.304 99.029,62.126 S10.7@99.825,62.206 ; S10.11@100.027,60.217 99.231,60.136 99.052,59.917 100.709,43.601 100.929,43.422 S15.7@101.725,43.503 ; 101.066,35.392 100.566,35.892 ; S15.11@101.927,41.513 101.131,41.432 100.566,40.867 100.566,35.892 ; 44.802,35.895 56.066,35.895 63.699,35.895 ; 63.699,35.895 74.866,35.895 82.595,35.895 ; 82.595,35.895 100.466,35.895 100.566,35.892
GND_P: pad.1 pad.2@104.166,9.992 Q1.3 Q2.3 | length 11.7
  Bottom Layer w0.5: pad.1 pad.2@104.166,9.992
L1: D1.1 R1.2 | length 2
  Top Layer w0.25: 136,16.3 138,16.3
LED: D1.2 U0.40
RESET: J1.10 U0.48
S1: S1.2 S1.4 S1.6 S1.8 S1.10 S1.12 U0.21 | length 99.3
  Bottom Layer w0.254: S1.12@35.5,83.927 36.296,84.008 36.515,83.829 38.315,66.11 39.082,65.485 40.882,47.766 41.649,47.14 42.684,36.959 43.147,36.496 90.222,36.496 92.066,34.652
S2: S2.2 S2.4 S2.6 S2.8 S2.10 S2.12 U0.22 | length 80.7
  Bottom Layer w0.254: S2.12@54.397,83.927 55.193,84.008 55.412,83.829 57.212,66.11 57.979,65.484 59.779,47.766 60.546,47.14 61.367,39.057 61.384,39.059 61.847,38.596 91.092,38.596 93.87,35.818
S3: S3.2 S3.4 S3.6 S3.8 S3.10 S3.12 U0.19 | length 68.6
  Bottom Layer w0.254: S3.12@72.626,90.503 73.422,90.583 73.641,90.405 75.441,72.686 76.208,72.06 78.008,54.341 78.775,53.716 80.051,41.156 80.084,41.159 80.547,40.696 91.962,40.696 95.666,36.992
S4: S4.2 S4.4 S4.6 S4.8 S4.10 S4.12 U0.17 | length 56.7
  Bottom Layer w0.254: S4.12@91.805,87.727 92.601,87.807 92.82,87.629 94.62,69.91 95.387,69.284 97.187,51.565 97.954,50.94 98.437,46.184 98.437,33.121 98.566,32.992
S5: S5.2 S5.4 S5.6 S5.8 S5.10 S5.12 U0.25 | length 62.1
  Bottom Layer w0.254: 99.066,33.192 99.066,46.845 99.073,46.852 98.456,52.921 99.082,53.688 97.283,71.397 97.909,72.164 112.533,73.649 113.07,74.307 112.473,80.177 112.254,80.355 S5.12@111.458,80.275
S6: S6.2 S6.4 S6.6 S6.8 S6.10 S6.12 U0.26 | length 80.5
  Bottom Layer w0.254: S6.12@37.4,65.223 38.196,65.304 38.415,65.126 40.215,47.407 40.982,46.781 42.012,36.642 42.016,36.642 42.866,35.792 89.931,35.792 91.466,34.257
S7: S7.2 S7.4 S7.6 S7.8 S7.10 S7.12 U0.27 | length 61.9
  Bottom Layer w0.254: S7.12@56.297,65.223 57.093,65.304 57.312,65.125 59.112,47.406 59.879,46.781 60.696,38.74 60.716,38.742 61.566,37.892 61.566,37.896 90.802,37.896 93.266,35.432
S8: S8.2 S8.4 S8.6 S8.8 S8.10 S8.12 U0.28 | length 49.9
  Bottom Layer w0.254: S8.12@74.526,71.799 75.322,71.88 75.541,71.701 77.341,53.982 78.108,53.356 79.379,40.838 79.416,40.842 80.266,39.992 80.266,39.996 91.672,39.996 95.066,36.602
S9: S9.2 S9.4 S9.6 S9.8 S9.10 S9.12 U0.29 | length 37.4
  Bottom Layer w0.254: S9.12@93.705,69.023 94.5,69.104 94.72,68.925 96.519,51.206 97.287,50.58 97.791,45.616 97.791,33.067
S10: S10.2 S10.4 S10.6 S10.8 S10.10 S10.12 U0.30 | length 38.5
  Bottom Layer w0.254: 99.729,37.729 99.729,47.32 99.183,52.693 99.808,53.46 114.433,54.945 114.97,55.603 114.373,61.473 114.154,61.652 S10.12@113.358,61.571
S11: S11.2 S11.4 S11.6 S11.8 S11.10 S11.12 U0.31 | length 61.8
  Bottom Layer w0.254: S11.12@39.3,46.52 40.096,46.601 40.315,46.422 41.344,36.29 41.366,36.292 42.601,35.077 42.616,35.092 89.641,35.092 90.866,33.867
S12: S12.2 S12.4 S12.6 S12.8 S12.10 S12.12 U0.33 | length 43.2
  Bottom Layer w0.254: S12.12@58.197,46.519 58.993,46.6 59.212,46.421 60.028,38.388 60.066,38.392 61.301,37.177 61.301,37.192 90.51,37.192 92.666,35.036
S13: S13.2 S13.4 S13.6 S13.8 S13.10 S13.12 U0.34 | length 31.2
  Bottom Layer w0.254: S13.12@76.426,53.095 77.222,53.176 77.441,52.997 78.712,40.486 78.766,40.492 80.001,39.277 80.001,39.292 91.38,39.292 94.466,36.206
S14: S14.2 S14.4 S14.6 S14.8 S14.10 S14.12 U0.13 | length 18.3
  Bottom Layer w0.254: S14.12@95.604,50.319 96.4,50.4 96.619,50.221 97.145,45.048 97.145,33.013
S15: S15.2 S15.4 S15.6 S15.8 S15.10 S15.12 U0.20 | length 13.3
  Bottom Layer w0.254: 110.966,35.567 111.11,35.711 116.333,36.242 116.869,36.899 116.273,42.769 116.054,42.948 S15.12@115.258,42.867
S16: S16.2 S16.4 S16.6 S16.8 S16.10 S16.12 U0.16
S17: S17.2 S17.4 S17.6 S17.8 S17.10 S17.12 U0.12
S18: S18.2 S18.4 S18.6 S18.8 S18.10 S18.12 U0.11
S19: S19.2 S19.4 S19.6 S19.8 S19.10 S19.12 U0.10
S20: S20.2 S20.4 S20.6 S20.8 S20.10 S20.12 U0.43
S21: S21.2 S21.4 S21.6 S21.8 S21.10 S21.12 U0.49
S22: S22.2 S22.4 S22.6 S22.8 S22.10 S22.12 U0.50
S23: S23.2 S23.4 S23.6 S23.8 S23.10 S23.12 U0.51
S24: S24.2 S24.4 S24.6 S24.8 S24.10 S24.12 U0.52
S25: S25.2 S25.4 S25.6 S25.8 S25.10 S25.12 U0.6
S26: S26.2 S26.4 S26.6 S26.8 S26.10 S26.12 U0.9
S27: S27.2 S27.4 S27.6 S27.8 S27.10 S27.12 U0.8
S28: S28.2 S28.4 S28.6 S28.8 S28.10 S28.12 U0.7
SWDCLK: J1.4 U0.38
SWDIO: J1.2 U0.37
VBUS: J2.A4 J2.B4 U0.47
VCC: J1.1 pad.0 pad.2@104.166,9.992 Q1.1 Q2.1 U0.55 | length 11.7
  Top Layer w0.5: pad.2@104.166,9.992 113.066,9.992 pad.0
pads on no net: J1.6 J1.7 J1.8 J2.A2 J2.A3 J2.A5 J2.A8 J2.A9 J2.A10 J2.A11 J2.B2 J2.B3 J2.B5 J2.B8 J2.B9 J2.B10 J2.B11 J2.S1 J2.S2 J2.S3 J2.S4 S1.0 S2.0 S3.0 S4.0 S5.0 S6.0 S7.0 S8.0 S9.0 S10.0 S11.0 S12.0 S13.0 S14.0 S15.0 S16.0 S17.0 S18.0 S19.0 S20.0 S21.0 S22.0 S23.0 S24.0 S25.0 S26.0 S27.0 S28.0 U0.2 U0.3 U0.4 U0.5 U0.14 U0.15 U0.18 U0.23 U0.24 U0.35 U0.36 U0.39 U0.41 U0.42 U0.53 U0.54

## Keep-outs
Keep-Out Layer:
  lines w0.1: 17.666,1.492 ccw(c19.166,1.492) 19.166,-0.008 116.166,-0.008 ccw(c116.166,1.492) 117.666,1.492 117.666,36.98 112.441,88.415 ccw(c110.948,88.264) 110.797,89.756 95.078,88.16 cw(c94.926,89.652) 93.434,89.5 92.787,95.867 ccw(c91.295,95.716) 91.143,97.208 75.424,95.612 cw(c75.272,97.104) 73.78,96.952 73.608,98.644 ccw(c72.116,98.492) 71.964,99.984 58.036,98.57 ccw(c58.188,97.077) 56.688,97.109 56.683,96.968 cw(c55.183,96.973) 55.334,95.481 20.911,91.984 ccw(c21.063,90.492) 19.571,90.34 24.876,38.109 cw(c22.808,37.872) 22.866,35.792 19.181,35.792 ccw(c19.174,34.284) 17.666,34.292 17.666,1.492

## Silkscreen, mask and mechanical layers (free items; w line width, h text height)
Top Overlay:
  text "MI" at 92.166,0.892 h4
  text "TOSI" at 98.866,0.892 h4
  text "S" at 113.466,0.892 h4
Bottom Overlay:
  text "S" at 94.866,0.892 h4
  text "TOSI" at 109.566,0.892 h4
  text "MI" at 116.166,0.892 h4
Top Solder:
  lines w0.25: 111.166,14.492 112.166,14.492 ; 111.666,13.992 111.666,14.992
Bottom Solder:
  lines w0.25: 111.166,14.492 112.166,14.492
Mechanical 1:
  circle w0.1: c104.166,9.992 r10
  lines w0.1: 0.013,-0.008 117.666,-0.008 117.666,99.992 0.013,99.992 0.013,-0.008 ; 1.49,1.492 1.49,98.492 116.166,98.492 116.166,1.492 1.49,1.492
Mechanical 3:
  circle w0.1: c92.466,9.992 r1
  circle w0.1: c115.866,9.992 r1
  lines w0.1: 17.666,1.492 ccw(c19.166,1.492) 19.166,-0.008 116.166,-0.008 ccw(c116.166,1.492) 117.666,1.492 117.666,16.492 96.866,16.492 cw(c96.866,16.992) 96.366,16.992 96.366,33.992 cw(c96.866,33.992) 96.866,34.492 117.666,34.492 117.666,36.98 112.441,88.415 ccw(c110.948,88.264) 110.797,89.756 95.078,88.16 cw(c94.926,89.652) 93.434,89.5 92.787,95.867 ccw(c91.295,95.716) 91.143,97.208 75.424,95.612 cw(c75.272,97.104) 73.78,96.952 73.608,98.644 ccw(c72.116,98.492) 71.964,99.984 58.036,98.57 ccw(c58.188,97.077) 56.688,97.109 56.683,96.968 cw(c55.183,96.973) 55.334,95.481 20.911,91.984 ccw(c21.063,90.492) 19.571,90.34 24.876,38.109 cw(c22.808,37.872) 22.866,35.792 19.181,35.792 ccw(c19.174,34.284) 17.666,34.292 17.666,1.492
Mechanical 7:
  circle w0.1: c92.466,9.992 r1
  circle w0.1: c115.866,9.992 r1
  lines w0.1: 17.666,1.492 ccw(c19.166,1.492) 19.166,-0.008 116.166,-0.008 ccw(c116.166,1.492) 117.666,1.492 117.666,16.492 96.866,16.492 cw(c96.866,16.992) 96.366,16.992 96.366,33.992 cw(c96.866,33.992) 96.866,34.492 117.666,34.492 117.666,36.98 112.441,88.415 ccw(c110.948,88.264) 110.797,89.756 95.078,88.16 cw(c94.926,89.652) 93.434,89.5 92.787,95.867 ccw(c91.295,95.716) 91.143,97.208 75.424,95.612 cw(c75.272,97.104) 73.78,96.952 73.608,98.644 ccw(c72.116,98.492) 71.964,99.984 58.036,98.57 ccw(c58.188,97.077) 56.688,97.109 56.683,96.968 cw(c55.183,96.973) 55.334,95.481 20.911,91.984 ccw(c21.063,90.492) 19.571,90.34 24.876,38.109 cw(c22.808,37.872) 22.866,35.792 19.181,35.792 ccw(c19.174,34.284) 17.666,34.292 17.666,1.492

## Text inside footprints (layer, text, board x,y; h text height)
S1: Keep-Out Layer "CUTOUT" at 27.75,77.107 h0.6 r5.8; Keep-Out Layer "CUTOUT" at 26.416,90.24 h0.6 r5.8
S2: Keep-Out Layer "CUTOUT" at 46.647,77.107 h0.6 r5.8; Keep-Out Layer "CUTOUT" at 45.313,90.239 h0.6 r5.8
S3: Keep-Out Layer "CUTOUT" at 64.875,83.683 h0.6 r5.8; Keep-Out Layer "CUTOUT" at 63.541,96.815 h0.6 r5.8
S4: Keep-Out Layer "CUTOUT" at 84.054,80.907 h0.6 r5.8; Keep-Out Layer "CUTOUT" at 82.72,94.039 h0.6 r5.8
S5: Keep-Out Layer "CUTOUT" at 103.708,73.455 h0.6 r5.8; Keep-Out Layer "CUTOUT" at 102.374,86.587 h0.6 r5.8
S6: Keep-Out Layer "CUTOUT" at 29.65,58.404 h0.6 r5.8; Keep-Out Layer "CUTOUT" at 28.316,71.536 h0.6 r5.8
S7: Keep-Out Layer "CUTOUT" at 48.547,58.403 h0.6 r5.8; Keep-Out Layer "CUTOUT" at 47.213,71.536 h0.6 r5.8
S8: Keep-Out Layer "CUTOUT" at 66.775,64.979 h0.6 r5.8; Keep-Out Layer "CUTOUT" at 65.441,78.112 h0.6 r5.8
S9: Keep-Out Layer "CUTOUT" at 85.954,62.203 h0.6 r5.8; Keep-Out Layer "CUTOUT" at 84.62,75.335 h0.6 r5.8
S10: Keep-Out Layer "CUTOUT" at 105.608,54.751 h0.6 r5.8; Keep-Out Layer "CUTOUT" at 104.274,67.883 h0.6 r5.8
S11: Keep-Out Layer "CUTOUT" at 31.55,39.7 h0.6 r5.8; Keep-Out Layer "CUTOUT" at 30.216,52.832 h0.6 r5.8
S12: Keep-Out Layer "CUTOUT" at 50.446,39.7 h0.6 r5.8; Keep-Out Layer "CUTOUT" at 49.112,52.832 h0.6 r5.8
S13: Keep-Out Layer "CUTOUT" at 68.675,46.275 h0.6 r5.8; Keep-Out Layer "CUTOUT" at 67.341,59.408 h0.6 r5.8
S14: Keep-Out Layer "CUTOUT" at 87.854,43.499 h0.6 r5.8; Keep-Out Layer "CUTOUT" at 86.52,56.632 h0.6 r5.8
S15: Keep-Out Layer "CUTOUT" at 107.508,36.047 h0.6 r5.8; Keep-Out Layer "CUTOUT" at 106.174,49.18 h0.6 r5.8
S16: Keep-Out Layer "CUTOUT" at 10.182,73.854 h0.6 r5.8; Keep-Out Layer "CUTOUT" at 8.848,86.987 h0.6 r5.8
S17: Keep-Out Layer "CUTOUT" at 85.8,17.1 h0.6; Keep-Out Layer "CUTOUT" at 85.8,30.3 h0.6
S18: Keep-Out Layer "CUTOUT" at 105.03,17.02 h0.6; Keep-Out Layer "CUTOUT" at 105.03,30.22 h0.6
S19: Keep-Out Layer "CUTOUT" at 127.53,20.52 h0.6; Keep-Out Layer "CUTOUT" at 127.53,33.72 h0.6
S20: Keep-Out Layer "CUTOUT" at 10.952,54.774 h0.6 r5.8; Keep-Out Layer "CUTOUT" at 9.618,67.907 h0.6 r5.8
S21: Keep-Out Layer "CUTOUT" at 13.722,37.731 h0.6 r5.8; Keep-Out Layer "CUTOUT" at 12.388,50.864 h0.6 r5.8
S22: Keep-Out Layer "CUTOUT" at 105.84,96.375 h0.6; Keep-Out Layer "CUTOUT" at 105.84,109.575 h0.6
S23: Keep-Out Layer "CUTOUT" at 67.07,17.02 h0.6; Keep-Out Layer "CUTOUT" at 67.07,30.22 h0.6
S24: Keep-Out Layer "CUTOUT" at 50.07,101.418 h0.6; Keep-Out Layer "CUTOUT" at 50.07,114.618 h0.6
S25: Keep-Out Layer "CUTOUT" at 6.6,95.998 h0.6; Keep-Out Layer "CUTOUT" at 6.6,109.198 h0.6
S26: Keep-Out Layer "CUTOUT" at 87.07,103.918 h0.6; Keep-Out Layer "CUTOUT" at 87.07,117.118 h0.6
S27: Keep-Out Layer "CUTOUT" at 66.57,105.918 h0.6; Keep-Out Layer "CUTOUT" at 66.57,119.118 h0.6
S28: Keep-Out Layer "CUTOUT" at 29.1,97.998 h0.6; Keep-Out Layer "CUTOUT" at 29.1,111.198 h0.6